# KiCad board Seeeduino Clicker.kicad_pcb
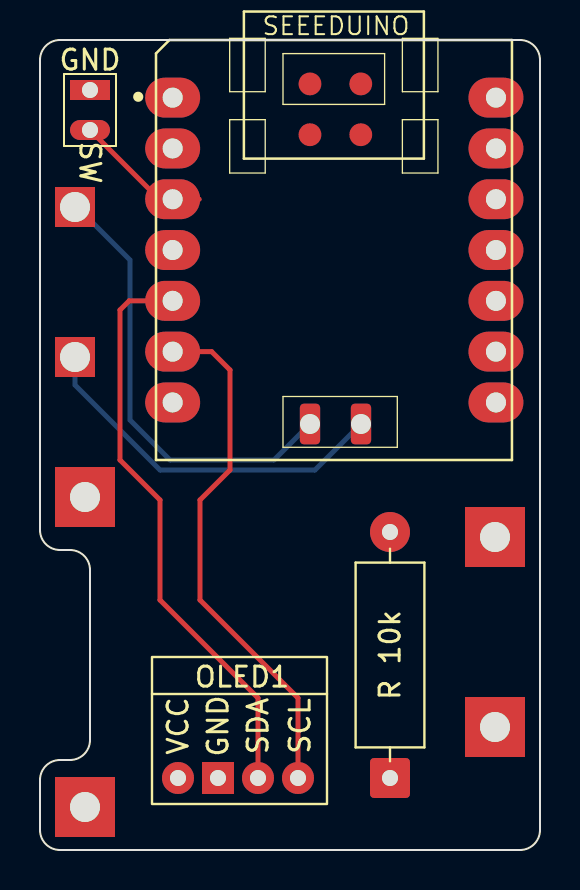
[diagram p0: board, top side]
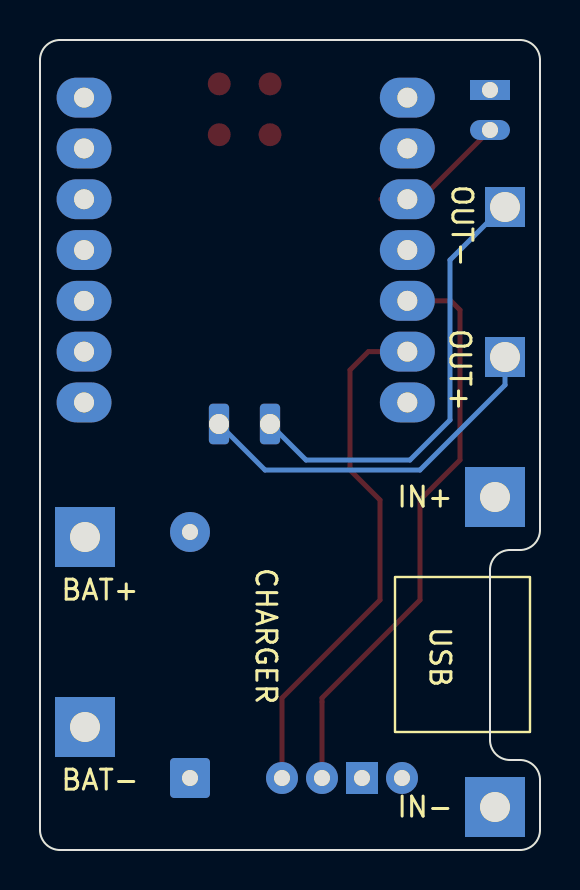
[diagram p1: board, bottom side, seen from below]

Outline 25 x 40.5 mm; copper layers: Top, Bottom. Coordinates in mm from the lower left corner of the outline.
Outline path: 0,39.5 arc(0.29,40.21) 1,40.5 24,40.5 arc(24.71,40.21) 25,39.5 25,1 arc(24.71,0.29) 24,0 1,0 arc(0.29,0.29) 0,1 0,3.5 arc(0.29,4.21) 1,4.5 1.5,4.5 arc(2.21,4.79) 2.5,5.5 2.5,14 arc(2.21,14.71) 1.5,15 1,15 arc(0.29,15.29) 0,16 0,39.5

## Placement (name value [footprint] x y rotation side)
CHARGER  Lipo_Charger_Step_Up_5V  [Lipo Step Up]  12.5 16.9 90 top
OLED1  OLED  [Oled 128x32]  10.1 18.5 0 top
R 10k  10k  [Resistor]  17.5 16.1 270 top
SEEEDUINO  SeeeduinoXIAO  [Seeeduino XIAO-MOUDLE14P-2.54-21X17.8MM]  5.8 19.5 0 top
SW  SW_PUSH  [Switch]  2.5 37 270 top

## Footprints (pads in the part's own frame, mm; a bottom-side part is the same pattern mirrored in y, then rotated)
Lipo Step Up
  rect 3x3 hole 1.5: 1(-14.75,10.25) 2(0.75,10.25) 5(-10.75,-10.25) 6(-1.25,-10.25)
  rect 2x2 hole 1.5: 3(7.75,10.75) 4(15.25,10.75)
Oled 128x32
  round 1.6 hole 0.8: 1(-3.2,-14.9) 3(0.8,-14.9) 4(2.8,-14.9)
  rect 1.6x1.6 hole 0.8: 2(-1.2,-14.9)
Resistor
  round 2 hole 0.8: 1(0.2,0)
  rrect 2x2 hole 0.8: 2(12.5,0)
Seeeduino XIAO-MOUDLE14P-2.54-21X17.8MM
  oval 2.748x1.999 hole 1: 1(0.833,18.118) 2(0.833,15.578) 3(0.833,13.038) 4(0.833,10.498) 5(0.833,7.958) 6(0.833,5.418) 7(0.833,2.878) 8(16.998,2.878) 9(16.998,5.418) 10(16.998,7.958) 11(16.998,10.498) 12(16.998,13.038) 13(16.998,15.578) 14(16.998,18.118)
  rrect 1.016x2.032 hole 1: 15(7.7,1.8) 16(10.25,1.8)
  round 1.143 smd: 17(7.699,18.804) 18(10.239,18.804) 19(7.699,16.264) 20(10.239,16.264)
Switch
  rrect 1x2 hole 0.8: 1(1,0)
  rect 1x2 hole 0.8: 2(-1,0)

## Nets
/Vin: CHARGER.4 SEEEDUINO.15
/A0: CHARGER.6 SEEEDUINO.1
/Ard5v: OLED1.1 SEEEDUINO.14 SW.2
/ArdGND: OLED1.2 R 10k.2 SEEEDUINO.13 SEEEDUINO.20
/D2: R 10k.1 SEEEDUINO.3 SW.1
/SCL: OLED1.4 SEEEDUINO.6
/SDA: OLED1.3 SEEEDUINO.5
/Vout: CHARGER.3 SEEEDUINO.16
Net-(SEEEDUINO1-Pad2): SEEEDUINO.2
Net-(SEEEDUINO1-Pad4): SEEEDUINO.4
Net-(SEEEDUINO1-Pad7): SEEEDUINO.7
Net-(SEEEDUINO1-Pad8): SEEEDUINO.8
Net-(SEEEDUINO1-Pad9): SEEEDUINO.9
Net-(SEEEDUINO1-Pad10): SEEEDUINO.10
Net-(SEEEDUINO1-Pad11): SEEEDUINO.11
Net-(SEEEDUINO1-Pad12): SEEEDUINO.12
Net-(SEEEDUINO1-Pad17): SEEEDUINO.17
Net-(SEEEDUINO1-Pad18): SEEEDUINO.18
Net-(SEEEDUINO1-Pad19): SEEEDUINO.19

Pads without a net: CHARGER 1 2 5

## Routing (per net, layer and track width the routed paths; a pad name or vN(x,y) marks a point on that pad's centre or on a via; arc(x,y) is an arc through that point)
/Vin: length 22.4
  Bottom w0.25: SEEEDUINO.15 11.7,19.5 6.5,19.5 4.5,21.5 4.5,29.5 1.85,32.15 CHARGER.4
/A0: length 1.1
  Top w0.25: CHARGER.6 22.75,16.75
/D2: length 6.9
  Top w0.25: SW.1 5.96,32.54 SEEEDUINO.3 7.96,32.54
/SCL: length 26.3
  Top w0.25: OLED1.4 12.9,7.6 8,12.5 8,17.5 9.5,19 9.5,24 8.58,24.92 SEEEDUINO.6
/SDA: length 29.1
  Top w0.25: OLED1.3 10.9,7.6 6,12.5 6,17.5 4,19.5 4,27 4.46,27.46 SEEEDUINO.5
/Vout: length 18.4
  Bottom w0.25: CHARGER.3 1.75,23.25 6,19 13.75,19 SEEEDUINO.16
